# Altium PCB Hall Board V2.0.PcbDoc (part 3 of 3) (continued)
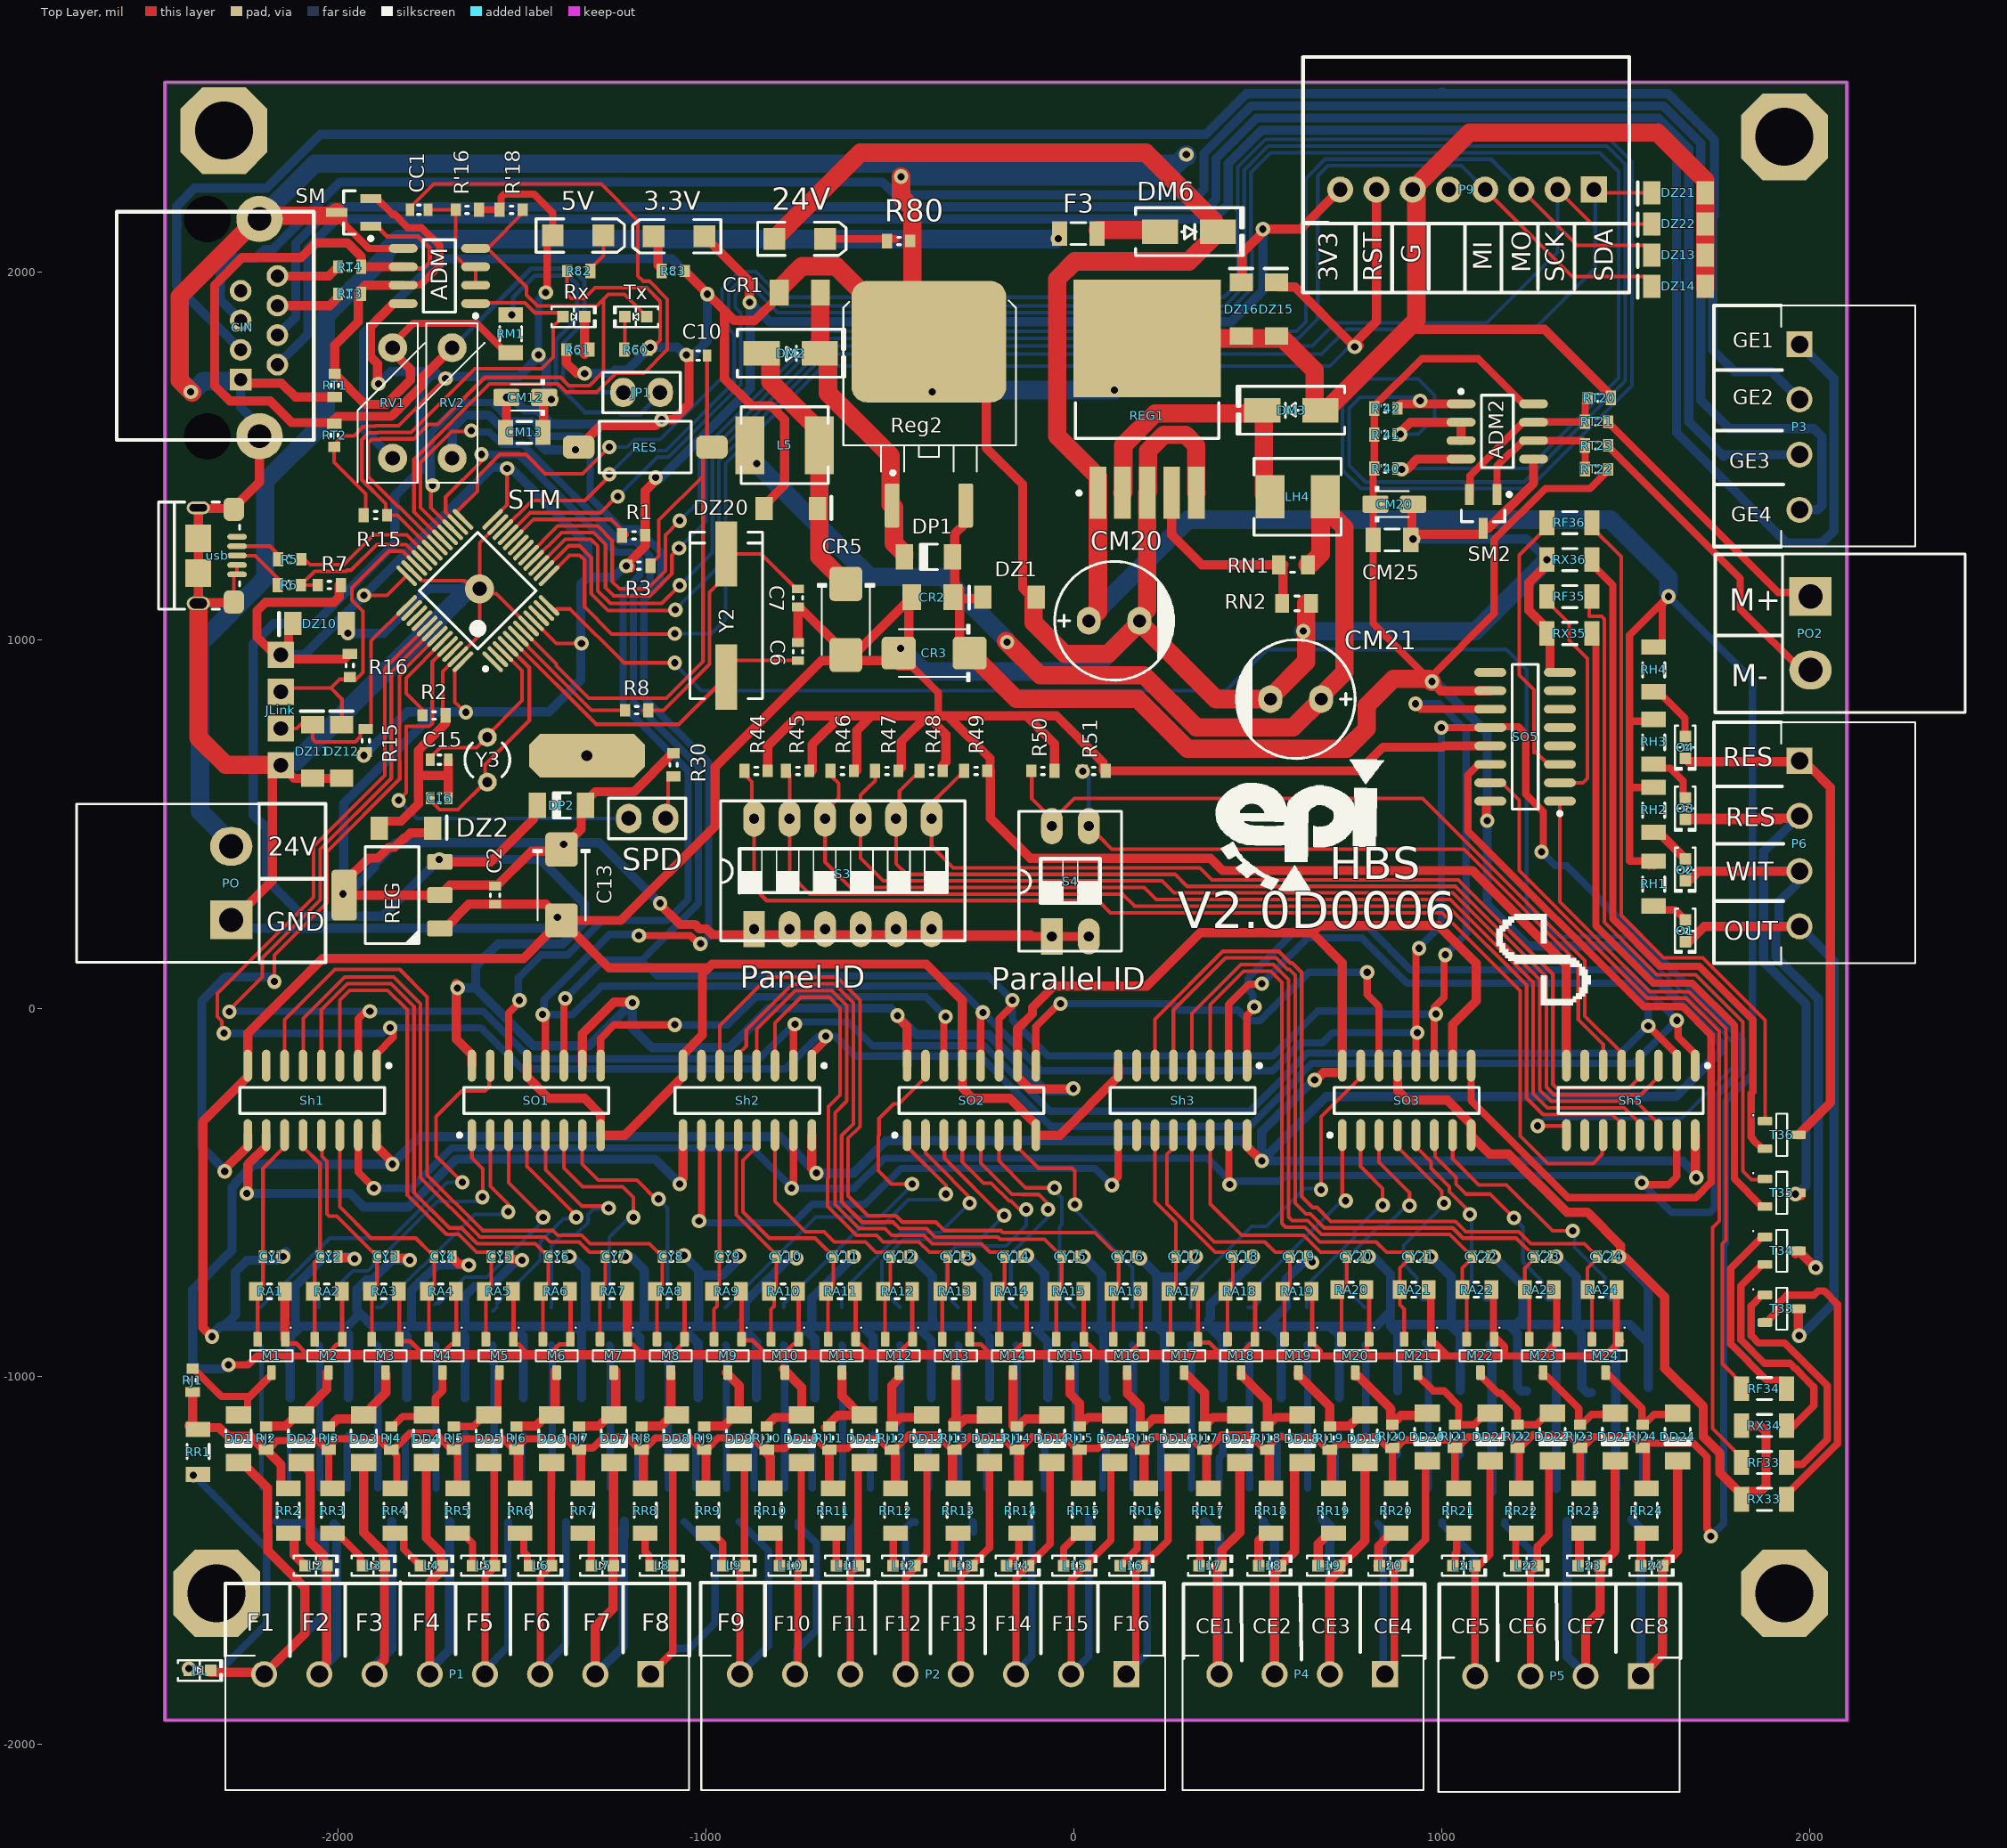
[diagram p0: Top Layer view]
## Nets (pads, with @x,y where several pads share a name; then routed paths per layer and width w, separated by ;. In a path a pad name is that pad's centre, name@x,y a point inside that pad or via, vN(x,y) a via of type N, cw(c..) or ccw(c..) an arc to the next point about the centre after c; other vN are vias at no path point) (continued)
Sig_15: RF16.2 SO2.7 | length 645
  Top Layer w10: SO2.7@-153.73,-345 -153.73,-377.28 -96.01,-435 -5,-435 2.33,-442.33 v1(2.33,-533.34)
  Bottom Layer w10: v1@-0.61,-540 -0.61,-544.56 158.55,-703.72 RF16.2@158.55,-812.8
Sig_16: RF17.2 SO3.15 | length 911
  Top Layer w10: v1(670.98,-493.34) 670.98,-295.31 778.77,-187.52 SO3.15@778.77,-156.02
  Bottom Layer w10: RF17.2@316.45,-812.8 316.45,-758.55 481.95,-593.05 522.69,-593.05 625.74,-490 v1@680,-490
Sig_17: RF18.2 SO3.1 | length 592.2
  Top Layer w10: SO3.1@728.77,-345 728.77,-506 738.17,-515.4 v1(738.17,-523.35)
  Bottom Layer w10: RF18.2@474.35,-812.8 487.15,-812.8 502.82,-797.13 502.82,-747.59 720.4,-530.01 v1@738.17,-530.01
Sig_18: RF19.2 SO3.2 | length 586.6
  Top Layer w10: SO3.2@778.77,-345 778.27,-345.5 778.27,-430 838.56,-490.29 v1(838.56,-535.23)
  Bottom Layer w10: RF19.2@632.26,-812.8 632.26,-752.21 761.86,-622.62 761.86,-606.32 808.18,-560 826.29,-541.89 v1@846.23,-541.89
Sig_19: RF20.2 SO3.3 | length 615.8
  Top Layer w10: SO3.3@828.77,-345 828.77,-418.39 911.31,-500.93 v1(911.31,-536.68)
  Bottom Layer w10: RF20.2@790.16,-812.8 738.17,-760.81 738.17,-683.15 827.98,-593.34 846.23,-593.34 896.23,-543.34 v1@918.98,-543.34
Sig_20: RF21.2 SO3.4 | length 559.9
  Top Layer w10: SO3.4@875,-355 875,-372.73 999.6,-497.33 999.6,-524.38 v1(1005.22,-530)
  Bottom Layer w10: RF21.2@960.16,-792.95 947.37,-792.95 931.7,-777.28 931.7,-731.7 895,-695 895,-645 v1@1000,-540
Sig_21: RF22.2 SO3.5 | length 547.6
  Top Layer w10: SO3.5@925,-345 925,-372.73 970,-417.73 970,-435 1019.8,-484.8 1019.8,-498.53 1075.22,-553.95 v1(1075.22,-560)
  Bottom Layer w10: v1@1070,-555 1080,-565 1080,-755.59 1117.37,-792.95 RF22.2@1130.16,-792.95
Sig_22: RF23.2 SO3.6 | length 606.4
  Top Layer w10: SO3.6@980,-365 980.86,-365.86 980.86,-403.31 1037.67,-460.12 1037.67,-477.67 1065,-505 1130.22,-505 v1(1195.22,-570)
  Bottom Layer w10: v1@1195,-570 1220,-595 1220,-690 1271.7,-741.7 1271.7,-777.28 1287.37,-792.95 RF23.2@1300.16,-792.95
Sig_23: RF24.2 SO3.7 | length 708.1
  Top Layer w10: SO3.7@1030,-350 1028.77,-351.23 1028.77,-408.77 1100,-480 1175,-480 1300,-605 v1(1355.22,-605)
  Bottom Layer w10: v1@1360,-605 1360,-650 1441.7,-731.7 1441.7,-777.28 1457.37,-792.95 RF24.2@1470.16,-792.95
Sig_32: RF33.2 SO5.15 | length 2240.9
  Top Layer w10: SO5.15@1131.02,612.78 1162.52,612.78 1210,565.3 1210,374.22 1556.86,27.35 1662.78,27.35 1753.35,-63.23 1753.35,-578.32 1735,-596.68 1735,-1142.54 1825,-1232.54 RF33.2@1825,-1245
Sig_33: RF34.2 SO5.1 | length 1892.1
  Top Layer w10: SO5.1@1320,562.78 1320,289.5 1564.27,45.23 1670.18,45.23 1771.23,-55.82 1771.23,-630 1761.23,-640 1761.23,-966.23 1825.86,-1030.86 1825.86,-1034.14 RF34.2@1815,-1045
Sig_34: RF35.2 SO5.2 | length 619.4
  Top Layer w10: RF35.2@1285.17,1118.8 1285.17,1106.01 1345,1046.18 1345,1000 1395,950 1395,625 1382.78,612.78 SO5.2@1320,612.78
Sig_35: RF36.2 SO5.3 | length 758.1
  Top Layer w10: 1250,695 1250,701.29 ; RF36.2@1285.17,1319.41 1285.17,1306.62 1210,1231.45 1210,905 1250,865 1250,701.29 ; SO5.3@1320,662.78 1288.5,662.78 1250,701.29
Sig_36: SO5.4
Sig_37: SO5.5 | length 1.1
  Top Layer w10: SO5.5@1320,762.78 SO5.5@1320.74,763.53
Sig_38: SO5.6
Sig_39: SO5.7
SIMu_0: CY1.2 M1.2 RA1.2 Sh1.11 | length 585
  Top Layer w10: M1.2@-2218.2,-899.65 -2218.2,-777.89 -2209.74,-769.43 -2203.7,-763.39 CY1.2@-2203.7,-674.92 -2203.7,-435.2 -2145,-376.5 Sh1.11@-2145,-345
SIMu_1: CY2.2 M2.2 RA2.2 Sh1.12 | length 587.4
  Top Layer w10: Sh1.12@-2095,-345 -2095,-376.5 -2048.7,-422.79 CY2.2@-2048.7,-674.92 -2063.2,-689.41 RA2.2@-2063.2,-774.75 ; RA2.2@-2068.52,-769.43 RA2.2@-2063.2,-774.75 ; M2.2@-2063.2,-899.65 RA2.2@-2063.2,-774.75
SIMu_2: CY3.2 M3.2 RA3.2 Sh1.13 | length 638
  Top Layer w10: Sh1.13@-2045,-345 -2042.91,-347.09 -2042.91,-403.31 -2029.6,-416.61 -2029.6,-559.14 -2023.75,-565 -2003.62,-565 -1905.43,-663.19 -1900.51,-663.19 -1893.7,-670 CY3.2@-1893.7,-674.92 -1893.7,-763.39 -1899.74,-769.43 -1908.2,-777.89 M3.2@-1908.2,-899.65
SIMu_3: CY4.2 M4.2 RA4.2 Sh1.14 | length 740.7
  Top Layer w10: Sh1.14@-1995,-345 -1995,-539.76 -1909.76,-625 -1788.62,-625 -1750.43,-663.19 -1745.51,-663.19 -1738.7,-670 CY4.2@-1738.7,-674.92 -1738.7,-763.39 -1744.74,-769.43 -1753.2,-777.89 M4.2@-1753.2,-899.65
SIMu_4: CY5.2 M5.2 RA5.2 Sh1.3 | length 1428.3
  Top Layer w10: Sh1.3@-1995,-156.02 -1995,21.44 -1967.88,48.56 -1865,48.56 -1811.44,-5 -1811.44,-508.56 -1705,-615 -1671.85,-615 -1623.66,-663.19 -1590.51,-663.19 -1583.7,-670 CY5.2@-1583.7,-674.92 -1583.7,-763.39 -1589.74,-769.43 -1598.2,-777.89 M5.2@-1598.2,-899.65
SIMu_5: CY6.2 M6.2 RA6.2 Sh1.4 | length 1635.5
  Top Layer w10: Sh1.4@-2045,-156.02 -2045,-3.28 -1974.59,67.13 -1856.02,67.13 -1793.56,4.67 -1793.56,-501.16 -1697.6,-597.13 -1664.45,-597.13 -1621.57,-640 -1463.62,-640 -1440.43,-663.19 -1435.51,-663.19 -1428.7,-670 CY6.2@-1428.7,-674.92 -1428.7,-763.39 -1434.74,-769.43 -1443.2,-777.89 M6.2@-1443.2,-899.65
SIMu_6: CY7.2 M7.2 RA7.2 Sh1.5 | length 1821.4
  Top Layer w10: Sh1.5@-2095,-156.02 -2094.42,-155.45 -2094.42,-27.43 -1981.99,85 -1848.62,85 -1775.69,12.07 -1775.69,-460.61 -1614.17,-622.13 -1436.88,-622.13 -1424,-635 -1344.79,-635 -1316.6,-663.19 -1280.51,-663.19 -1273.7,-670 CY7.2@-1273.7,-674.92 -1273.7,-763.39 -1279.74,-769.43 -1288.2,-777.89 M7.2@-1288.2,-899.65
SIMu_7: CY8.2 M8.2 RA8.2 Sh1.6 | length 2047.3
  Top Layer w10: Sh1.6@-2145,-156.02 -2145,-31.83 -2008.17,105 -1832.13,105 -1757.82,30.69 -1757.82,-453.2 -1606.77,-604.25 -1416.05,-604.25 -1403.17,-617.13 -1337.39,-617.13 -1314.52,-640 -1153.62,-640 -1130.43,-663.19 -1125.51,-663.19 -1118.7,-670 CY8.2@-1118.7,-674.92 -1118.7,-763.39 -1124.74,-769.43 -1133.2,-777.89 M8.2@-1133.2,-899.65
SIMu_8: CY9.2 M9.2 RA9.2 Sh2.11 | length 561.1
  Top Layer w10: M9.2@-978.2,-899.65 -978.2,-818.48 -969.74,-810.02 -969.74,-769.43 -963.7,-763.39 CY9.2@-963.7,-674.92 -963.1,-674.32 -963.1,-345.6 Sh2.11@-962.5,-345
SIMu_9: CY10.2 M10.2 RA10.2 Sh2.12 | length 608
  Top Layer w10: Sh2.12@-912.5,-345 -912.5,-380.18 -917.74,-385.42 -917.74,-560.97 -808.7,-670 -808.7,-763.39 -814.74,-769.43 -814.74,-810.02 -823.2,-818.48 M10.2@-823.2,-899.65
SIMu_10: CY11.2 M11.2 RA11.2 Sh2.13 | length 754.1
  Top Layer w10: Sh2.13@-862.5,-345 -862.5,-376.5 -899.86,-413.86 -899.86,-553.56 -828.42,-625 -703.62,-625 -665.43,-663.19 -660.51,-663.19 -653.7,-670 CY11.2@-653.7,-674.92 -653.7,-763.39 -659.74,-769.43 -668.2,-777.89 M11.2@-668.2,-899.65
SIMu_11: CY12.2 M12.2 RA12.2 Sh2.14 | length 789.3
  Top Layer w10: Sh2.14@-812.5,-345 -812.5,-524.63 -730,-607.13 -678.94,-607.13 -651.06,-635 -566.85,-635 -538.66,-663.19 -505.51,-663.19 -498.7,-670 CY12.2@-498.7,-674.92 -498.7,-763.39 -504.74,-769.43 -513.2,-777.89 M12.2@-513.2,-899.65
SIMu_12: CY13.2 M13.2 RA13.2 Sh2.3 | length 1502.9
  Top Layer w10: Sh2.3@-812.5,-156.02 -812.5,-40 -742.68,29.82 -665.24,29.82 -635.42,0 -635.42,-235.58 -667.44,-267.61 -667.44,-461.46 -669.49,-463.51 -669.49,-538.43 -590.79,-617.13 -536.17,-617.13 -518.3,-635 -421.19,-635 -393,-663.19 -350.51,-663.19 -343.7,-670 CY13.2@-343.7,-674.92 -343.7,-763.39 -349.74,-769.43 -358.2,-777.89 M13.2@-358.2,-899.65
SIMu_13: CY14.2 M14.2 RA14.2 Sh2.4 | length 1711
  Top Layer w10: Sh2.4@-862.5,-156.02 -862.5,-56.76 -758.04,47.7 -657.84,47.7 -617.54,7.4 -617.54,-252.18 -649.44,-284.08 -649.44,-533.2 -583.39,-599.25 -513.54,-599.25 -495.66,-617.13 -407.87,-617.13 -385,-640 -251.74,-640 -228.55,-663.19 -195.51,-663.19 -188.7,-670 CY14.2@-188.7,-674.92 -188.7,-763.39 -194.74,-769.43 -203.2,-777.89 M14.2@-203.2,-899.65
SIMu_14: CY15.2 M15.2 RA15.2 Sh2.5 | length 1917.3
  Top Layer w10: Sh2.5@-912.5,-156.02 -912.5,-124.53 -890.45,-102.48 -890.45,-59.44 -765.44,65.57 -701.09,65.57 -700,66.66 -651.52,66.66 -599.67,14.81 -599.67,-314.45 -631.57,-346.35 -631.57,-525.79 -575.98,-581.38 -491.44,-581.38 -473.56,-599.25 -400.47,-599.25 -377.6,-622.13 -206.77,-622.13 -201.02,-627.87 -80.75,-627.87 -45.43,-663.19 -40.51,-663.19 -33.7,-670 CY15.2@-33.7,-674.92 -33.7,-763.39 -39.74,-769.43 -48.2,-777.89 M15.2@-48.2,-899.65
SIMu_15: CY16.2 M16.2 RA16.2 Sh2.6 | length 2152.1
  Top Layer w10: Sh2.6@-962.5,-156.02 -962.5,-47.5 -830.46,84.54 -644.12,84.54 -581.8,22.21 -581.8,-321.85 -613.7,-353.75 -613.7,-510 -560.19,-563.5 -484.03,-563.5 -466.16,-581.38 -375.63,-581.38 -352.76,-604.25 -199.36,-604.25 -193.62,-610 56.38,-610 109.57,-663.19 114.49,-663.19 121.3,-670 CY16.2@121.3,-674.92 121.3,-763.39 115.26,-769.43 106.8,-777.89 M16.2@106.8,-899.65
SIMu_16: CY17.2 M17.2 RA17.2 Sh3.11 | length 584
  Top Layer w10: Sh3.11@220,-345 220,-525 276.3,-581.3 CY17.2@276.3,-674.92 276.3,-763.39 270.26,-769.43 261.8,-777.89 M17.2@261.8,-899.65
SIMu_17: CY18.2 M18.2 RA18.2 Sh3.12 | length 665.9
  Top Layer w10: Sh3.12@270,-345 270,-379.69 252.64,-397.05 252.64,-532.36 383.47,-663.19 424.49,-663.19 431.3,-670 CY18.2@431.3,-674.92 431.3,-763.39 425.26,-769.43 416.8,-777.89 M18.2@416.8,-899.65
SIMu_18: CY19.2 M19.2 RA19.2 Sh3.13 | length 771
  Top Layer w10: Sh3.13@320,-345 320,-574.44 380.56,-635 518.15,-635 546.34,-663.19 579.49,-663.19 586.3,-670 CY19.2@586.3,-674.92 586.3,-763.39 580.26,-769.43 571.8,-777.89 M19.2@571.8,-899.65
SIMu_19: CY20.2 M20.2 RA20.2 Sh3.14 | length 850.9
  Top Layer w10: Sh3.14@370,-345 370,-531.68 455.45,-617.13 624.24,-617.13 670.31,-663.19 734.49,-663.19 741.3,-670 CY20.2@741.3,-674.92 741.3,-763.39 735.26,-769.43 726.8,-777.89 M20.2@726.8,-899.65
SIMu_20: CY21.2 M21.2 RA21.2 Sh3.3 | length 1687.7
  Top Layer w10: Sh3.3@370,-155 370,10 460.86,100.86 534.14,100.86 565,70 565,-585 575,-595 627.4,-595 667.4,-635 820.65,-635 848.84,-663.19 904.49,-663.19 911.3,-670 CY21.2@911.3,-674.92 ; RA21.2@885,-770 885,-805.59 896.8,-817.4 M21.2@896.8,-899.65 ; RA21.2@885,-765 885,-706.14 CY21.2@915,-676.14
SIMu_21: CY22.2 M22.2 RA22.2 Sh3.4 | length 1889.8
  Top Layer w10: Sh3.4@315,-150 320,-145 320,-14.72 453.45,118.73 541.55,118.73 582.87,77.4 582.87,-567.13 592.87,-577.13 634.8,-577.13 672.67,-615 1021.38,-615 1069.57,-663.19 1074.49,-663.19 1081.3,-670 CY22.2@1081.3,-674.92 ; RA22.2@1055,-765 1055,-706.14 CY22.2@1080,-681.14 ; RA22.2@1060,-770 1066.8,-776.8 M22.2@1066.8,-899.65
SIMu_22: CY23.2 M23.2 RA23.2 Sh3.5 | length 2109.6
  Top Layer w10: Sh3.5@270,-145 270,-5 411.61,136.61 548.95,136.61 580.56,105 585,105 600.75,89.25 600.75,-530 630,-559.25 642.2,-559.25 680.08,-597.13 1028.78,-597.13 1056.65,-625 1201.38,-625 1239.57,-663.19 1244.49,-663.19 1251.3,-670 CY23.2@1251.3,-674.92 ; RA23.2@1225,-770 1236.8,-781.8 M23.2@1236.8,-899.65 ; RA23.2@1225,-765 1225,-706.14 1245,-686.14 CY23.2@1245,-680
SIMu_23: CY24.2 M24.2 RA24.2 Sh3.6 | length 2316.7
  Top Layer w10: Sh3.6@220,-130 220,-29.72 404.2,154.48 556.35,154.48 587.92,122.92 592.36,122.92 618.62,96.66 618.62,-512.13 647.87,-541.38 660,-541.38 697.87,-579.25 1036.18,-579.25 1064.06,-607.13 1208.78,-607.13 1241.65,-640 1386.38,-640 1409.57,-663.19 1414.49,-663.19 1421.3,-670 CY24.2@1421.3,-674.92 ; RA24.2@1395,-765 1395,-706.14 1415,-686.14 CY24.2@1415,-680 ; RA24.2@1400,-760 1406.8,-766.8 M24.2@1406.8,-899.65
Speed_Connection: SPD.2 STM.45 | length 1152.3
  Top Layer w10: v1@-1832.9,567.1 -1814.18,585.82 -1814.18,765.82 -1751.67,765.82 -1743.8,773.69 -1743.8,941.6 STM.45@-1702.12,983.28
  Bottom Layer w10: v1(-1835,565) -1785.85,515.85 SPD.2@-1210,515.85
SWCLk: DZ11.2 JLink.2 R15.2 STM.37 | length 689.1
  Top Layer w10: JLink.2@-2155,760.17 -2112.26,760.17 -2085.27,787.16 DZ11.2@-2070.18,787.16 ; DZ11.2@-2069.01,770.37 -2069.01,731.74 -2061.26,723.99 -1953.16,723.99 -1939.12,738.03 -1939.12,750.22 -1930.34,759 R15.2@-1924.44,759 -1918.53,759 -1909.75,767.78 -1909.75,998.36 STM.37@-1813.48,1094.63
SWIO: DZ12.2 JLink.3 R16.1 STM.34 | length 833.3
  Top Layer w10: JLink.3@-2155,860.17 -2145.17,870 -2018.98,870 ; DZ12.2@-1989.51,770.37 -1989.51,840.52 -2018.98,870 ; STM.34@-1785.64,1203.21 -1824.79,1242.35 -1862.11,1242.35 -1962.03,1142.44 -1962.03,1108.64 -1931.64,1078.26 -1931.64,912.66 -1950.34,893.97 -1995,893.97 -2018.98,870
TxComm: ADM.4 R'18.1 STM.30 Tx.1 | length 2037
  Top Layer w10: STM.30@-1729.96,1258.88 -1833.57,1362.49 -1836.13,1362.49 -1917.13,1443.49 -1917.13,1537.6 -1908.72,1546 -1884.54,1546 -1883.3,1547.24 -1793.65,1547.24 -1753.77,1587.13 -1728.24,1587.13 -1600.99,1714.37 -1395.09,1714.37 -1373.16,1692.44 -1316.51,1692.44 -1278.72,1730.24 -1278.72,1926.48 ; ADM.4@-1626.04,2065 -1625.91,2065.13 ADM.4@-1602.04,2065.13 ; R'18.1@-1497.68,2182.4 -1497.68,2161.12 -1587.5,2071.29 -1595.87,2071.29 ADM.4@-1602.04,2065.13 ; Tx.1@-1160.98,1879.17 -1222.01,1940.2 -1265,1940.2 -1278.72,1926.48 ; ADM.4@-1602.04,2065.13 -1592.64,2065.13 -1487.56,1960.04 -1487.56,1938.34 -1457.55,1908.32 -1296.87,1908.32 -1278.72,1926.48
TxDis: ADM2.4 R'40.1 STM.21 | length 5322.8
  Top Layer w10: STM.21@-1537.88,1286.72 -1478.24,1346.35 -1287.15,1346.35 v1@-1241.09,1392.41
  Top Layer w25: R'40.1@887.99,1466.66 906.46,1466.66 932.31,1492.52 ADM2.4@1051.57,1492.52
  Bottom Layer w10: v1(-1239.5,1390.82) -1132.54,1497.78 -1101.88,1497.78 -905.37,1694.29 -905.37,1889.9 -920.47,1905 -920.47,1940.22 -895,1965.69 -879.85,1965.69 -804.9,1890.75 417.01,1890.75 483.8,1957.53 483.8,2057.61 480.45,2060.96 480.45,2271.03 534.68,2325.26 1428.24,2325.26 1480,2273.49 1480,1712.4 1234.26,1466.66 v1@878.77,1466.66
  other v1: 890.5,1464.76
VCC: 5V.1 ADM2.8 ADM.8 CM12.1 CM13.1 CM20.1@818.82,1370 CM25.1 CR2.1 CR3.1 DP1.1 DP2.2 DZ1.2 M1.1 M2.1 M3.1 M4.1 M5.1 M6.1 M7.1 M8.1 M9.1 M10.1 M11.1 M12.1 M13.1 M14.1 M15.1 M16.1 M17.1 M18.1 M19.1 M20.1 M21.1 M22.1 M23.1 M24.1 R'15.2 R'16.2 R'18.2 R'40.2 R'41.2 R'42.2 RA1.1 RA2.1 RA3.1 RA4.1 RA5.1 RA6.1 RA7.1 RA8.1 RA9.1 RA10.1 RA11.1 RA12.1 RA13.1 RA14.1 RA15.1 RA16.1 RA17.1 RA18.1 RA19.1 RA20.1 RA21.1 RA22.1 RA23.1 RA24.1 Reg2.3 REG.3 RT2.1 RT22.1 Sh1.16 Sh2.16 Sh3.16 Sh5.16 SO1.10 SO1.16 SO2.10 SO2.16 SO3.10 SO3.16 SO5.10 SO5.16 | length 34630.4
  Top Layer w10: RT2.1@-2010,1525.87 -2007.05,1525.87 RT2.1@-2001.83,1531.09 ; R'15.2@-1924.68,1348.97 -1924.68,1398.03 -2010.37,1483.72 -2010.37,1532.75 -1988.12,1555 -1956.64,1555 -1931.64,1580 -1925.28,1580 -1923.53,1581.75 -1899.34,1581.75 -1898.1,1582.99 -1835.57,1582.99 v1(-1707.46,1711.1)
  Top Layer w12: M1.1@-2143.39,-899.65 -2143.39,-905.16 -2137.58,-910.97 -2113.58,-910.97 -2089.55,-935 -2023.75,-935 ; RA2.1@-1989.78,-769.43 -1988.39,-770.81 M2.1@-1988.39,-899.65 -1988.39,-907.52 -1994.2,-913.33 -2002.08,-913.33 -2023.75,-935 ; RA3.1@-1834.78,-769.43 -1833.39,-770.81 M3.1@-1833.39,-899.65 -1828.1,-904.94 -1803.58,-904.94 -1773.52,-935 ; RA4.1@-1679.78,-769.43 -1678.39,-770.81 M4.1@-1678.39,-899.65 -1678.39,-907.52 -1684.2,-913.33 -1692.08,-913.33 -1713.75,-935 ; RA5.1@-1524.78,-769.43 -1523.39,-770.81 M5.1@-1523.39,-899.65 -1523.39,-907.52 -1517.58,-913.33 -1509.71,-913.33 -1488.04,-935 ; RA6.1@-1369.78,-769.43 -1368.39,-770.81 M6.1@-1368.39,-899.65 -1368.39,-907.52 -1374.2,-913.33 -1398.2,-913.33 -1419.87,-935 ; M7.1@-1207.58,-913.33 -1199.71,-913.33 -1178.04,-935 ; RA8.1@-1059.78,-769.43 -1058.39,-770.81 M8.1@-1058.39,-899.65 -1058.39,-907.52 -1085.87,-935 ; RA9.1@-904.78,-769.43 -903.39,-770.81 M9.1@-903.39,-899.65 -900.52,-902.52 -873.58,-902.52 -841.1,-935 ; RA10.1@-749.78,-769.43 -748.39,-770.81 M10.1@-748.39,-899.65 -748.39,-907.52 -754.2,-913.33 -762.08,-913.33 -783.75,-935 ; RA11.1@-594.78,-769.43 -593.39,-770.81 M11.1@-593.39,-899.65 -593.39,-907.52 -587.58,-913.33 -579.71,-913.33 -558.04,-935 ; RA12.1@-439.78,-769.43 -439.78,-901.03 -473.75,-935 ; RA13.1@-284.78,-769.43 -283.39,-770.81 M13.1@-283.39,-899.65 -283.39,-907.52 -277.58,-913.33 -253.58,-913.33 -231.91,-935 ; RA14.1@-129.78,-769.43 -128.39,-770.81 M14.1@-128.39,-899.65 -128.39,-907.52 -134.2,-913.33 -142.08,-913.33 -163.75,-935 ; RA15.1@25.22,-769.43 26.61,-770.81 M15.1@26.61,-899.65 26.61,-907.52 32.42,-913.33 40.29,-913.33 61.96,-935 ; RA16.1@180.22,-769.43 181.61,-770.81 M16.1@181.61,-899.65 181.61,-907.52 154.13,-935 ; RA17.1@335.22,-769.43 336.61,-770.81 M17.1@336.61,-899.65 336.61,-902.49 342.42,-908.3 366.42,-908.3 393.11,-935 ; RA18.1@490.22,-769.43 491.61,-770.81 M18.1@491.61,-899.65 491.61,-907.52 485.8,-913.33 477.92,-913.33 456.25,-935 ; RA19.1@645.22,-769.43 646.61,-770.81 M19.1@646.61,-899.65 646.61,-907.52 670,-930.91 670,-935 ; 670,-940 670,-935 ; 785,-945 795.8,-934.2 795.8,-905.46 M20.1@801.61,-899.65 801.61,-770.81 RA20.1@800.22,-769.43 ; -2023.75,-935 -1773.52,-935 ; -1773.52,-935 -1713.75,-935 ; -1713.75,-935 -1488.04,-935 ; -1488.04,-935 -1419.87,-935 ; -1419.87,-935 -1178.04,-935 ; -1178.04,-935 -1085.87,-935 ; -1085.87,-935 -841.1,-935 ; -841.1,-935 -783.75,-935 ; -783.75,-935 -558.04,-935 ; -558.04,-935 -473.75,-935 ; -473.75,-935 -231.91,-935 ; -231.91,-935 -163.75,-935 ; -163.75,-935 61.96,-935 ; 61.96,-935 154.13,-935 ; 154.13,-935 393.11,-935 ; 393.11,-935 456.25,-935 ; 456.25,-935 670,-935
  Top Layer w20: v1(-2297.67,-969.01) -2244.01,-969.01 -2220,-945 785,-945 1015,-945 ; R'16.2@-1617.01,2170 R'18.2@-1560.66,2170 -1556.88,2173.78 -1556.88,2203.84 -1548.6,2212.13 -1467.13,2212.13 -1416.51,2161.51 5V.1@-1416.51,2100 -1431.75,2084.76 -1431.75,1948.46 v1(-1435.45,1944.76) ; R'40.2@815.78,1481.79 R'41.2@815.78,1558.66 R'42.2@815.78,1630 815.78,1635.91 944.87,1765 1098.39,1765 1220.87,1642.52 ADM2.8@1248.43,1642.52 ; R'40.2@825,1472.57 812.8,1460.36 CM25.1@812.8,1272.8 812.8,1046.34 964.13,895 1141.29,1072.16 1141.29,1272.83 1280.96,1412.5 1402.24,1412.5 1451.61,1461.87 RT22.1@1451.61,1464.82 ; M21.1@969.8,-897.83 969.8,-770.2 RA21.1@970,-770 ; v1@972.06,887.07 v1@985,874.13 ; M21.1@975,-910 980,-910 1015,-945 ; RA22.1@1135,-775 1139.8,-779.8 1139.8,-897.83 M22.1@1141.61,-899.65 ; M22.1@1145,-895 1170,-920 1170,-945 ; RA23.1@1295,-755 1311.61,-771.61 M23.1@1311.61,-899.65 ; M23.1@1305,-915 1275,-945 ; RA24.1@1473.74,-765 1473.74,-908.74 M24.1@1475,-910 ; M24.1@1485,-905 1445,-945 1275,-945 ; 1015,-945 1170,-945 ; 1170,-945 1275,-945
  Top Layer w25: RA1.1@-2144.78,-769.43 -2144.08,-770.12 -2144.08,-898.96 M1.1@-2143.39,-899.65 ; Sh1.16@-1895,-345 -1895,-375.12 v1@-1855,-415.12 ; v1(-1890.05,1696.78) -1892.8,1699.53 -1892.8,1751.81 -1911.24,1770.25 -1911.24,1852.83 -1885.12,1878.96 ADM.8@-1849.76,1914.31 ; REG.3@-1723.04,397.76 -1585.21,397.76 -1468.75,514.21 -1468.75,529.15 -1457.63,540.28 DP2.2@-1457.63,551.1 ; v1@-1678.46,67.13 -1678.46,-83.68 -1636.23,-125.91 SO1.16@-1636.23,-156.02 ; CM13.1@-1442.79,1565 -1441.3,1566.5 -1441.3,1658.5 CM12.1@-1439.8,1660 ; SO1.10@-1336.23,-156.02 -1336.23,-69.57 -1250,16.66 v1@-1196.66,16.66 ; RA7.1@-1214.78,-769.43 -1214.08,-770.12 -1214.08,-898.96 M7.1@-1213.39,-899.65 ; Sh2.16@-712.5,-345 -712.5,-435.48 v1(-700,-447.98) ; v1(-480,-20) -480,-23.89 -453.73,-50.16 SO2.16@-453.73,-156.02 ; CR2.1@-328.9,1117.05 -324.74,1112.89 CR2.1@-310.81,1112.89 ; CR2.1@-310.81,1117.05 -310.81,1139.41 -323.9,1152.5 -323.9,1289.43 -294.47,1318.87 Reg2.3@-294.47,1326.37 ; Reg2.3@-301.97,1318.87 Reg2.3@-294.47,1326.37 ; Reg2.3@-294.47,1331.37 Reg2.3@-294.47,1326.37 ; CR3.1@-283.54,965 -310.81,992.26 CR2.1@-310.81,1112.89 ; DZ1.2@-252.84,1108.74 -256.99,1112.89 CR2.1@-310.81,1112.89 ; v1(-1.98,-218.34) -3.35,-219.71 -120.17,-219.71 -153.73,-186.14 -153.73,-56.31 -113,-15.58 -113,2 -55,60 197.9,60 342.9,205 646.93,205 ; Sh3.16@470,-345 470,-375.12 v1@509.44,-414.55 ; v1(653.56,-195.01) 657.45,-195.01 678.08,-174.38 728.08,-174.38 728.77,-173.69 728.77,123.16 646.93,205 ; v1@985,874.13 996.35,862.78 SO5.10@1131.02,862.78 ; SO3.10@1028.77,-156.02 1028.77,-44.4 1093.17,20 1093.17,122.16 990.33,225 666.93,225 646.93,205 ; v1(1122.74,509.42) 1120.06,512.09 1120.06,562.09 1120.75,562.78 SO5.16@1131.02,562.78 ; Sh5.16@1687.74,-345 1688.43,-345.69 1688.43,-458.17 v1(1690.5,-460.24)
  Top Layer w50: CR3.1@-283.54,965 -281.58,965 -156.95,840.37 172.78,840.37 308.15,705 740.31,705 795,759.69 795,822.44 867.56,895 964.13,895 v1@972.06,887.07
  Bottom Layer w20: v1(-1455,1775.61) -1455,1925.21 v1(-1435.45,1944.76)
  Bottom Layer w25: v1@-2300,-965.67 -2314.33,-980 -2380.36,-980 -2395,-965.36 -2395,-765 -2287.73,-657.73 -2287.73,-486.75 -2277.79,-476.8 -2277.79,-473.34 -2228.56,-424.11 v1(-1852.32,-424.11) -1777.47,-349.25 -798.73,-349.25 v1(-700,-447.98) -598.44,-447.98 -510.47,-360 454.88,-360 v1(510,-415.12) ; v1(-1890.05,1696.78) -1856.83,1730 -1736.87,1730 ; v1(-1675,55) -1625.98,55 ; v1(-1420.48,1654.38) -1423.23,1657.13 -1423.23,1676.75 -1434.29,1687.81 -1434.29,1751.01 -1455,1771.73 v1(-1455,1775.61) -1457.75,1778.36 -1457.75,1767.25 -1508.26,1716.74 -1723.61,1716.74 -1736.87,1730 ; v1(-480,-20) -428.25,-71.75 -230.55,-71.75 -77.3,-225 v1@-10.79,-225 ; v1@-480,-18.34 -498.34,0 -828.99,0 -935.74,-106.75 -1146.76,-106.75 -1200.18,-53.33 v1(-1200.18,15) -1317.31,-102.13 -1468.86,-102.13 -1625.98,55 ; v1@645.8,-200 510,-335.8 v1(510,-415.12) ; v1(972.68,887.69) 982.31,887.69 1122.74,747.26 v1(1122.74,509.42) 1122.74,280.9 1234.73,168.9 1492.41,168.9 1757.66,-96.35 1757.66,-117.06 1634.72,-240 685.12,-240 v1(510,-415.12) ; v1@1695,-456.98 1653.14,-415.12 v1(510,-415.12) ; -1736.87,1730 -1777.85,1689.02 -1777.85,1460 -1845.45,1392.4 -1845.45,1262.79 -2063.24,1045 -2175,1045 -2230,990 -2230,525 -2194.42,489.42 -2194.42,349.42 -2095,250 -1879.12,250 v1(-1724.7,404.42) -1451.25,404.42 -1329.54,282.71 -1329.54,234.48 -1389.02,175 -1565,175 -1625.98,114.02 -1625.98,55
WR_32: O1.2 P6.4 T33.3 | length 1596.6
  Top Layer w25: O1.2@1660.74,180.87 O1.2@1663.99,177.62 ; O1.2@1670,180 1712.45,222.45 P6.4@1971.01,222.45 ; v1@1967.96,-891.41 T33.3@1967.96,-816.66
  Bottom Layer w25: v1@1965,-900 2065,-800 2065,128.46 1975,218.46 P6.4@1975,220
  other v1: 1970.22,-890
WR_33: O2.2 P6.3 T34.3 | length 1548.6
  Top Layer w25: O2.2@1675,350 1697.45,372.45 P6.3@1971.01,372.45 ; T34.3@1960,-667.12 1960.78,-666.35 1960.78,-659.85 1961.47,-659.16 T34.3@1967.96,-659.16 1974.46,-659.16 1975.15,-659.85 1975.15,-666.35 v1@2015,-706.2
  Bottom Layer w25: P6.3@1965,370 1962.23,367.23 1962.23,335.39 1915.2,288.36 1915.2,238.56 1906.64,230 1906.64,140 2022.13,24.51 2022.13,-712.87 v1@2020,-715
  other v1: 2015.22,-705
WR_34: O3.2 P6.2 T35.3 | length 1704.3
  Top Layer w25: 1918.18,512.87 O3.2@1660.74,512.87 1663.99,516.11 1956.11,516.11 P6.2@1965,525 ; T35.3@1967.96,-501.66 1974.46,-501.66 1975.15,-502.35 T35.3@1975.15,-508.85
  Bottom Layer w25: v1@1970,-500 1989.25,-480.75 1989.25,10.75 1873.76,126.24 1873.76,425.2 P6.2@1971.01,522.45 1973.56,525 P6.2@1975,525
  other v1: 1960.22,-505
WR_35: O4.2 P6.1 T36.3 | length 1410.9
  Top Layer w25: O4.2@1660.74,678.87 1669.61,670 1965,670 1980,655 2000,655 2055,600 2055,-257.12 1975.15,-336.98 1975.15,-343.47 1974.46,-344.16 T36.3@1967.96,-344.16
pads on no net: "CIN. " C13.0 CIN.7 CM12.0 CM20.0 CR3.0 CR5.0 M1.0 M2.0 M3.0 M4.0 M5.0 M6.0 M7.0 M8.0 M9.0 M10.0 M11.0 M12.0 M13.0 M14.0 M15.0 M16.0 M17.0 M18.0 M19.0 M20.0 M21.0 M22.0 M23.0 M24.0 P9.5 Reg2.0 REG.0 Sh1.7 Sh2.7 Sh3.7 Sh3.10 Sh5.7 Sh5.10 SO5.9 STM.1 STM.2 STM.10 STM.11 STM.18 STM.19 STM.39 STM.40 STM.46 T1.0 T2.0 T3.0 T4.0 T5.0 T6.0 T7.0 T8.0 T9.0 T10.0 T11.0 T12.0 T13.0 T14.0 T15.0 T16.0 T17.0 T18.0 T19.0 T20.0 T21.0 T22.0 T23.0 T24.0 T33.0 T34.0 T35.0 T36.0 usb.1 Y3.3

## Polygon pours and split planes (outlines as drawn)
GND on Bottom Layer "Bottom Layer-No Net" (solid, remove dead copper, pour order 0): -2061.49,2342.3 1835,1925 1775,-1680 -2416.69,-1680

## Keep-outs
Keep-Out Layer:
  the board outline again, w10

## Silkscreen, mask and mechanical layers (free items; w line width, h text height)
Top Overlay:
  drawing of 704 lines, arcs and shapes, not listed
  text "G" at 940,2023.98 h50 r90
  text "MI" at 1135,2005 h50 r90
  text "MO" at 1240,1998.99 h50 r90
  text "3V3" at 715,1973.99 h50 r90
  text "RST" at 836.23,1973.99 h50 r90
  text "SDA" at 1465,1973.99 h50 r90
  text "SCK" at 1331.27,1973.19 h50 r90
  text "GE1" at 1790,1795 h39.37
  text "GE2" at 1790,1640 h39.37
  text "GE3" at 1780,1467.24 h39.37
  text "GE4" at 1785,1322.8 h39.37
  text "M+" at 1780,1080 h60
  text "M-" at 1785,875 h60
  text "RES" at 1763.46,658.06 h50
  text "RES" at 1771.01,494.78 h50
  text "24V" at -2190,414.29 h50
  text "WIT" at 1771.01,347.37 h50
  text "HBS" at 693.4,321.38 h150
  text "GND" at -2194.42,210 h50
  text "OUT" at 1766.01,185.5 h50
  text "V2.0D0006" at 281.2,184.3 h170
  text "Panel ID" at -907.18,55 h60
  text "Parallel ID" at -225,50 h60
  text "F1" at -2248.58,-1692.24 h47.24
  text "F2" at -2098.58,-1692.24 h47.24
  text "F3" at -1953.58,-1692.24 h47.24
  text "F4" at -1798.58,-1692.24 h47.24
  text "F5" at -1653.58,-1692.24 h47.24
  text "F6" at -1498.58,-1692.24 h47.24
  text "F7" at -1335,-1692.24 h47.24
  text "F8" at -1175,-1692.24 h47.24
  text "F9" at -970,-1692.24 h47.24
  text "F10" at -817.04,-1692.24 h40
  text "F11" at -660,-1692.24 h40
  text "F12" at -515.5,-1692.24 h40
  text "F13" at -365.5,-1692.24 h40
  text "F14" at -215,-1692.24 h40
  text "F15" at -60,-1692.24 h40
  text "F16" at 105,-1692.24 h40
  text "CE1" at 330,-1700 h39.37
  text "CE2" at 485,-1700 h39.37
  text "CE3" at 645,-1700 h39.37
  text "CE4" at 815,-1700 h39.37
  text "CE5" at 1025,-1700 h39.37
  text "CE6" at 1180,-1700 h39.37
  text "CE7" at 1340,-1700 h39.37
  text "CE8" at 1510,-1700 h39.37